# Altium PCB Shuttler_AMC.PcbDoc (part 5 of 12) (continued)
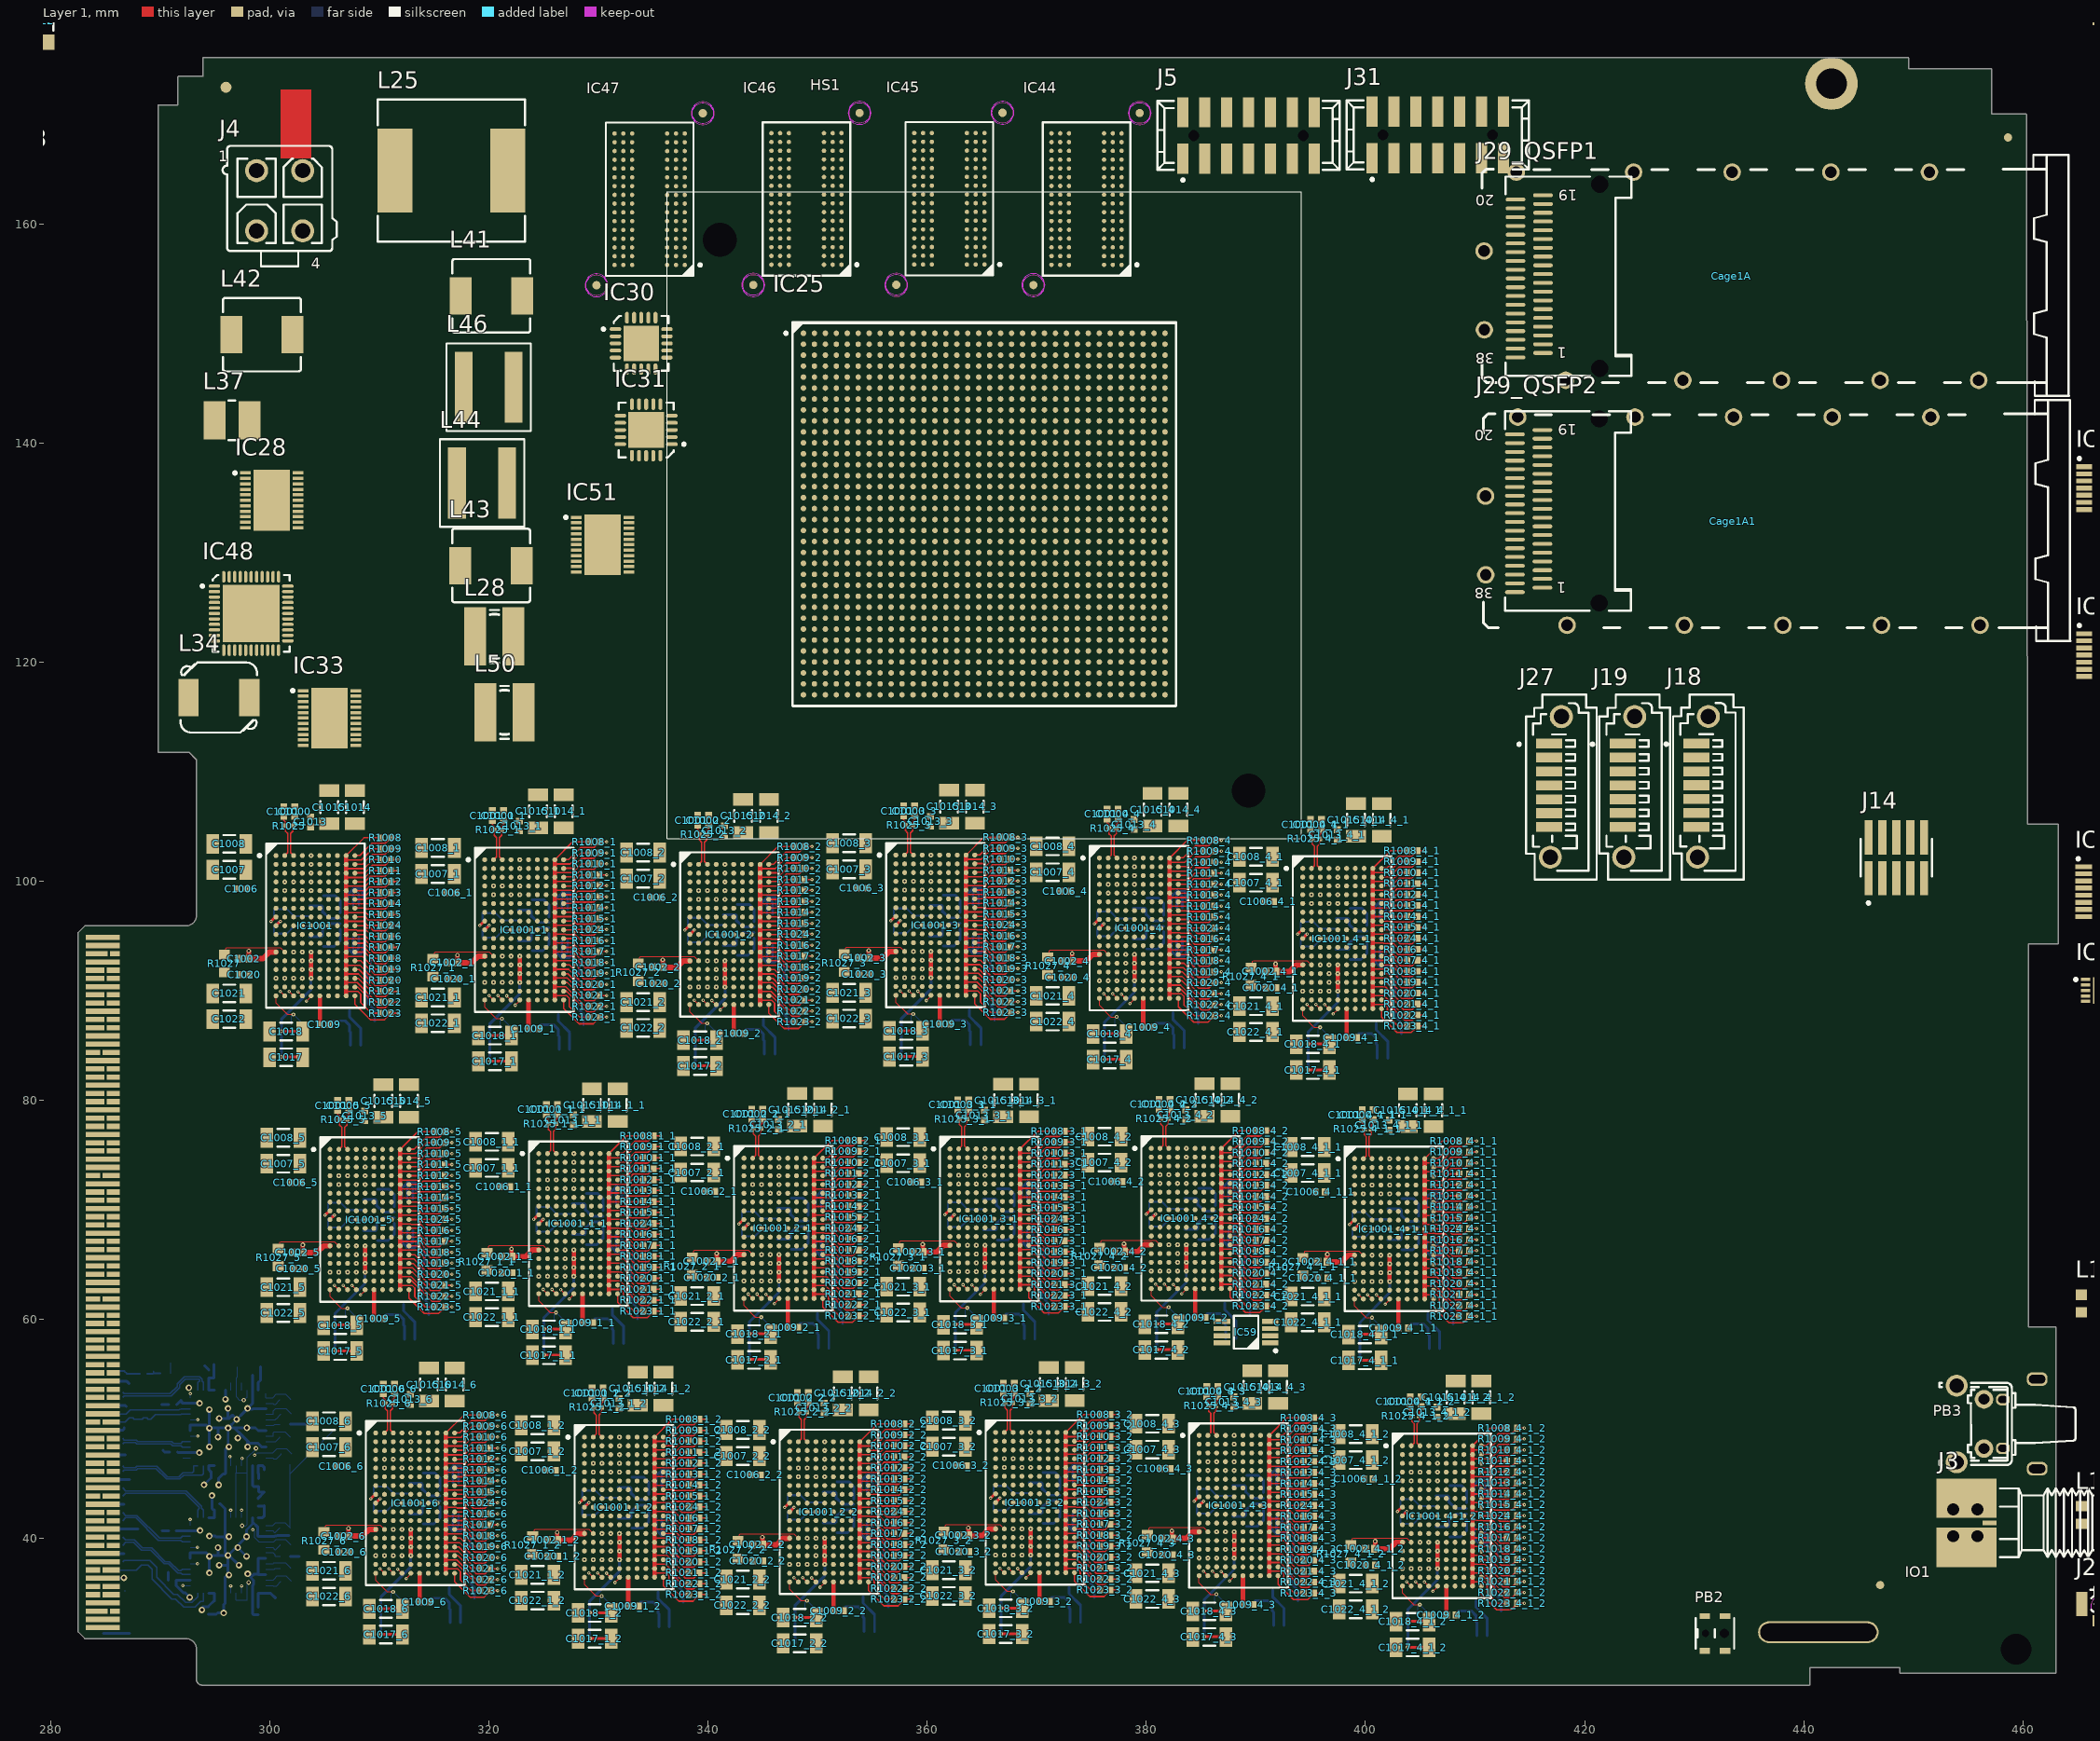
[diagram p0: Layer 1 view]
## Part data (continued)
IC2: "2.5 to 5.5 V, 1Kb (128x8) Serial Microwire Bus EEPROM", Case=SOIC8, Manufacturer="ST MICROELECTRONICS", Author="CERN DEM JLC", Bonding=No, ComponentHeight=1.75mm, Component Type=Standard, CreateDate=15.11.2012, Device=M93C46-WMN6TP, HelpURL=\\cern.ch\dfs\Applications\Altium\Datasheets\M93C46-WMN6TP.pdf, LatestRevisionDate=15.11.2012, Manufacturer Part Number=M93C46-WMN6TP, Mounted=Yes, PackageDescription="SOIC 8, Pitch 1.27mm - Body 4x5mm, IPC Medium Density", Part Description="1Kbit (128 x 8 bit or 64 x 16 bit) MICROWIRE® Serial Access EEPROM", Part Number=M93C46-WMN6TP, Pin Count=8, PressFit=No, Sense=No, SMD=Yes, Socket=No
IC4 IC5 IC7 IC13 IC21 IC57 IC72 IC73: "20V, 500mA, Ultralow Noise, Ultrahigh PSRR Linear Regulator", Case=SON10, Manufacturer="LINEAR TECHNOLOGY", Author="CERN DEM JLC", Bonding=No, ComponentHeight=0.8mm, Component Type=Standard, CreateDate=07.12.2016, Device=LT3045EDD#PBF, HelpURL=\\cern.ch\dfs\Applications\Altium\Datasheets\LT3045EDD#PBF.pdf, LatestRevisionDate=07.12.2016, Manufacturer Part Number=LT3045EDD#PBF, Mounted=Yes, PackageDescription="SON, 0.50mm Pitch, 10-pin, 3.00mm W  X 3.00mm L X 0.80mm Height, (w/thermal tab 1.75 X 2.48 mm), IPC Medium Density", Part Description="20V, 500mA, Ultralow Noise, Ultrahigh PSRR Linear Regulator", Part Number=LT3045EDD#PBF, Pin Count=11, PressFit=No, Sense=No, SMD=Yes, Socket=No
IC6 IC54: "Low Quiescent Current, Programmable-Delay Supervisory Circuit", Case=SOT23-6, Manufacturer="TEXAS INSTRUMENTS", Author="CERN DEM JLC", Bonding=No, ComponentHeight=1.45mm, Component Type=Standard, CreateDate=05.11.2013, Device=TPS3808G33DBVT, HelpURL=\\cern.ch\dfs\Applications\Altium\Datasheets\TPS3808G33DBVT.pdf, LatestRevisionDate=05.11.2013, Manufacturer Part Number=TPS3808G33DBVT, Mounted=Yes, PackageDescription="SOT23, 6-Leads, Body 1.6x3.0mm, Pitch 0.95mm, IPC Medium Density", Part Description="3.3V, Low Quiescent Current, Programmable-Delay Supervisory Circuit", Part Number=TPS3808G33DBVT, Pin Count=6, PressFit=No, Sense=No, SMD=Yes, Socket=No
IC8 IC34 IC35 IC36: "Digital Temperature Sensor and Thermal Watchdog with Two-Wire Interface", Case=SSOP8, Manufacturer="TEXAS INSTRUMENTS", Author="CERN DEM JLC", Bonding=No, ComponentHeight=1.09mm, Component Type=Standard, CreateDate=15.10.2012, Device=LM75AIMM/NOPB, HelpURL=\\cern.ch\dfs\Applications\Altium\Datasheets\LM75AIMM-NOPB.pdf, LatestRevisionDate=15.10.2012, Manufacturer Part Number=LM75AIMM/NOPB, Mounted=Yes, PackageDescription="SOP, 0.65mm pitch; 8 pin,3.00mm W X 3.00mm L X 1.09mm H bodyI, PC Medium Density", Part Description="-25° to +100°C ±2°C Digital Temperature Sensor and Thermal Watchdog with Two-Wire Interface", Part Number=LM75AIMM/NOPB, Pin Count=8, PressFit=No, Sense=No, SMD=Yes, Socket=No
IC9 IC52: "Low Voltage 8-Channel I2C Switch With Reset", Case=QFN24, Manufacturer="TEXAS INSTRUMENTS", Author="CERN DEM JLC", Bonding=No, ComponentHeight=1mm, Component Type=Standard, CreateDate=07.07.2014, Device=TCA9548ARGER, HelpURL=\\cern.ch\dfs\Applications\Altium\Datasheets\TCA9548ARGER.pdf, LatestRevisionDate=07.07.2014, Manufacturer Part Number=TCA9548ARGER, Mounted=Yes, PackageDescription="QFN, 0.50mm Pitch, Square; 24 Pin, 4.00mm L X 4.00mm W X 1.00mm H body (w/thermal tab 2.2 X 2.2mm), IPC Medium Density", Part Description="Low Voltage 8-Channel I2C Switch With Reset", Part Number=TCA9548ARGER, Pin Count=25, PressFit=No, Sense=No, SMD=Yes, Socket=No
IC10_1 IC11_1: "Part Number = SN65MLVD040RGZT"
IC12 IC17 IC56: "Two Selectable Inputs, 8 LVPECL Outputs, SiGe Clock Fanout Buffer", Case=QFN32, Manufacturer="ANALOG DEVICES", Author="CERN DEM MR", Bonding=No, ComponentHeight=0.8mm, Component Type=Standard, CreateDate=30.11.2016, Device=ADCLK948BCPZ, HelpURL=\\cern.ch\dfs\Applications\Altium\Datasheets\ADCLK948BCPZ.pdf, LatestRevisionDate=30.11.2016, Manufacturer Part Number=ADCLK948BCPZ, Mounted=Yes, PackageDescription="QFN, 0.50mm Pitch, Square; 8 Pin X 8 Pin, 5mm X 5mm X 1.00mm H body (w/thermal tab 2.85 X 2.85mm),  IPC Medium Density", Part Description="Two Selectable Inputs, 8 LVPECL Outputs, SiGe Clock Fanout Buffer", Part Number=ADCLK948BCPZ, Pin Count=33, PressFit=No, Sense=No, SMD=Yes, Socket=No
IC14 IC16: "4-BIT 1-OF-2 FET Multiplexer/Demultiplexer 2.5V/3.3V Low-Voltage Bus Switch 5V Tolerant Shifter", Case=TSSOP16, Manufacturer="TEXAS INSTRUMENTS", Author="CERN DEM JLC", Bonding=No, ComponentHeight=1.2mm, Component Type=Standard, CreateDate=30.01.2012, Device=SN74CB3T3257PW, HelpURL=\\cern.ch\dfs\Applications\Altium\Datasheets\SN74CB3T3257PW.pdf, LatestRevisionDate=30.01.2012, Manufacturer Part Number=SN74CB3T3257PW, Mounted=Yes, PackageDescription="SOP, 0.65mm pitch; 16 pin, 4.40mm W X 5.00mm L X 1.20mm H body IPC Medium Density", Part Description="4-Bit 1-of-2 FET Multiplexer/Demultiplexer 2.5V/3.3V Low-Voltage Bus Switch 5V Tolerant Shifter", Part Number=SN74CB3T3257PW, Pin Count=16, PressFit=No, Sense=No, SMD=Yes, Socket=No
IC15: "1.5A High Efficiency Step-Down Converter, Adjustable Output Voltage", Case=SOT23-5, Manufacturer="TEXAS INSTRUMENTS", Author="CERN DEM JMW", Bonding=No, ComponentHeight=1.45mm, Component Type=Standard, CreateDate=29.08.2016, Device=TLV62565DBVT, HelpURL=\\cern.ch\dfs\Applications\Altium\Datasheets\TLV62565DBVT.pdf, LatestRevisionDate=29.08.2016, Manufacturer Part Number=TLV62565DBVT, Mounted=Yes, PackageDescription="SOT, 0.95mm Pitch; 5 Pin, 1.60mm W X 2.90mm L X 1.45mm H Body, IPC Medium Density", Part Description="1.5A High Efficiency Step-Down Converter, Adjustable Output Voltage", Part Number=TLV62565DBVT, Pin Count=5, PressFit=No, Sense=No, SMD=Yes, Socket=No
IC18 IC43: "Sink/Source DDR Termination Regulator", Case=SON10, Manufacturer="TEXAS INSTRUMENTS", Author="CERN DEM JLC", Bonding=No, ComponentHeight=1mm, Component Type=Standard, CreateDate=03.02.2010, Device=TPS51200DRCT, HelpURL=\\cern.ch\dfs\Applications\Altium\Datasheets\TPS51200DRCT.pdf, LatestRevisionDate=06.11.2013, Manufacturer Part Number=TPS51200DRCT, Mounted=Yes, PackageDescription="SON, 0.50mm Pitch, 10-pin, 3.00mm W  X 3.00mm L X 1.00mm Height, (w/thermal tab 1.75 X 2.50 mm)", Part Description="3.3V Sink/Source DDR Termination Regulator", Part Number=TPS51200DRCT, Pin Count=11, PressFit=No, Sense=No, SMD=Yes, Socket=No
IC19: "Fractional-N PLL With Integrated VCO, 25 to 3000MHz", Case=QFN40, Manufacturer="HITTITE MICROWAVE CORP", Author="CERN DEM JMW", Bonding=No, ComponentHeight=0.9mm, Component Type=Standard, CreateDate=17.08.2016, Device=HMC830LP6GE, HelpURL=\\cern.ch\dfs\Applications\Altium\Datasheets\HMC830LP6GE.pdf, LatestRevisionDate=17.08.2016, Manufacturer Part Number=HMC830LP6GE, Mounted=Yes, PackageDescription="QFN, 0.50mm Pitch, Square; 40 Pin, 4.00mm L X 4.00mm W X 1.00mm H Body (w/thermal Tab 2.95 X 2.95mm), IPC Medium Density", Part Description="Fractional-N PLL With Integrated VCO, 25 to 3000MHz", Part Number=HMC830LP6GE, Pin Count=41, PressFit=No, Sense=No, SMD=Yes, Socket=No
IC20 IC22: "2 Input/10 Output, Low Jitter Universal Buffer/Level Translator With 2:1 Input Mux (<1.25 GHZ)", Case=QFN44, Manufacturer="SILICON LABS", Author="CERN DEM MR", Bonding=No, ComponentHeight=0.9mm, Component Type=Standard, CreateDate=02.10.2017, Device=SI53312-B-GM, HelpURL=\\cern.ch\dfs\Applications\Altium\Datasheets\SI53312-B-GM.pdf, LatestRevisionDate=02.10.2017, Manufacturer Part Number=SI53312-B-GM, Mounted=Yes, PackageDescription="QFN, 0.50mm Pitch, Square; 44 Pin, 7.00mm L X 7.00mm W X 0.90mm H Body (w/Thermal Tab 2.95mm X 2.95mm), IPC Medium Density", Part Description="2 Input/10 Output, Low Jitter Universal Buffer/Level Translator With 2:1 Input Mux (<1.25 GHZ)", Part Number=SI53312-B-GM, Pin Count=45, PressFit=No, Sense=No, SMD=Yes, Socket=No
IC23 IC53: "256Mb, 3V, Multiple I/O Serial Flash Memory", Case=SOIC16, Manufacturer="MICRON TECHNOLOGY", Author="CERN DEM BC", Bonding=No, ComponentHeight=2.65mm, Component Type=Standard, CreateDate=04.09.2015, Device=N25Q256A13ESF40, HelpURL=\\cern.ch\dfs\Applications\Altium\Datasheets\N25Q256A13ESF40.pdf, LatestRevisionDate=04.09.2015, Manufacturer Part Number=N25Q256A13ESF40, Mounted=Yes, PackageDescription="SOIC, 1.27mm Pitch; 16 Pin, Body 7.5x10.3mm, IPC Medium Density", Part Description="256Mb, 2.7 to 3.6V, Multiple I/O Serial Flash Memory", Part Number=N25Q256A13ESF40, Pin Count=16, PressFit=No, Sense=No, SMD=Yes, Socket=No
IC24: library part N25Q256A13ESF40, "256Mb, 3V, Multiple I/O Serial Flash Memory", Case=SOIC16, Manufacturer="MICRON TECHNOLOGY", Manufacturer Part Number=DNP, Author="CERN DEM BC", Bonding=No, ComponentHeight=2.65mm, Component Type=Standard, CreateDate=04.09.2015, Device=N25Q256A13ESF40/DNP, HelpURL=\\cern.ch\dfs\Applications\Altium\Datasheets\N25Q256A13ESF40.pdf, LatestRevisionDate=04.09.2015, Mounted=Yes, PackageDescription="SOIC, 1.27mm Pitch; 16 Pin, Body 7.5x10.3mm, IPC Medium Density", Part Description="256Mb, 2.7 to 3.6V, Multiple I/O Serial Flash Memory", Part Number=N25Q256A13ESF40, Pin Count=16, PressFit=No, Sense=No, SMD=Yes, Socket=No
IC25: "Kintex UltraScale FPGA, 520 I/O, 530K Cells, 1156-Ball BGA, Speed Grade 1, Commercial Grade", Case=BGA1156, Manufacturer=XILINX, Author="CERN DEM CA", Bonding=No, ComponentHeight=3.5mm, ComponentLink1Description=Package/Pinout, ComponentLink1URL=\\cern.ch\dfs\Applications\Altium\Datasheets\XCKU040-1FFVA1156C_Package-Pinout.pdf, Component Type=Standard, CreateDate=16.08.2016, Device=XCKU040-1FFVA1156C, HelpURL=\\cern.ch\dfs\Applications\Altium\Datasheets\XCKU040-1FFVA1156C.pdf, LatestRevisionDate=16.08.2016, Manufacturer Part Number=XCKU040-1FFVA1156C, Mounted=Yes, PackageDescription="BGA, 1.00mm Pitch, Square; 1156 Pin, 34 Columns X 34 Rows, Body 35.00mm X 35.00mm X 3.50mm H, IPC Medium Density", Part Description="Kintex UltraScale, 40 DLL I/O, 416 HP I/O, 104 HR I/O, 1156-Pin BGA, Speed Grade 1, Commercial Grade", Part Number=XCKU040-1FFVA1156C, Pin Count=1156, PressFit=No, Sense=No, SMD=Yes, Socket=No
IC26: "Any Frequency Precision Clock Multiplier/Jitter Attenuator", Case=QFN36, Manufacturer="SILICON LABS", Author="CERN DEM JLC", Bonding=No, ComponentHeight=0.9mm, Component Type=Standard, CreateDate=19.08.2013, Device=Si5324C-C-GM, HelpURL=\\cern.ch\dfs\Applications\Altium\Datasheets\Si5324C-C-GM.pdf, LatestRevisionDate=19.08.2013, Manufacturer Part Number=Si5324C-C-GM, Mounted=Yes, PackageDescription="QFN, 0.50mm Pitch, Square; 36 Pin, 6.00mm L X 6.00mm W X 0.90mm H Body (w/thermal tab 4.25mm x 4.25mm), IPC Medium Density", Part Description="Any Frequency Precision Clock Multiplier/Jitter Attenuator", Part Number=Si5324C-C-GM, Pin Count=37, PressFit=No, Sense=No, SMD=Yes, Socket=No
IC27 IC58 IC61 IC63: "Adjustable, 3A, Single Resistor Low Dropout Regulator", Case=SON12, Manufacturer="LINEAR TECHNOLOGY", Author="CERN DEM MR", Bonding=No, ComponentHeight=0.8mm, Component Type=Standard, CreateDate=29.11.2017, Device=LT3083EDF#PBF, HelpURL=\\cern.ch\dfs\Applications\Altium\Datasheets\LT3083EDF#PBF.pdf, LatestRevisionDate=29.11.2017, Manufacturer Part Number=LT3083EDF#PBF, Mounted=Yes, PackageDescription="SON, 0.50mm Pitch; 14 Pin 4.00mm W X 4.00mm L X 0.80mm H body (w/thermal tab 2.75 X 3.5 mm), IPC Medium Density", Part Description="Adjustable, 3A, Single Resistor Low Dropout Regulator", Part Number=LT3083EDF#PBF, Pin Count=13, PressFit=No, Sense=No, SMD=Yes, Socket=No
IC28 IC33 IC51: "1.5V to 15V Input (4.5V to 25V Bias), 20A Synchronous Buck SWIFT™ Converter with Eco-mode™", Case=SON22, Manufacturer="TEXAS INSTRUMENTS", Autho=TP, Bonding=No, ComponentHeight=1.5mm, Component Type=Standard, CreateDate=17.01.2019, Device=TPS53353DQPT, Manufacturer Part Number=TPS53353DQPT, Mounted=Yes, PackageDescription="SON, 0.50mm Pitch; 22 Pin, 5.00mm W X 6.00mm L X 1.50mm H Body (w/Thermal Tab 3.34 X 5.57mm), IPC Medium Density", Part Description="1.5V to 15V Input (4.5V to 25V Bias), 20A Synchronous Buck SWIFT™ Converter with Eco-mode™", Part Number=TPS53353DQPT, Pin Count=23, PressFit=No, Sense=No, SMD=Yes, Socket=No
IC29 IC41: "4.75-28VDC to 1-6VDC, 500mA Step-Down Converter With Sleep Mode", Case=SON10, Manufacturer="TEXAS INSTRUMENTS", Author="CERN DEM JMW", Bonding=No, ComponentHeight=0.8mm, Component Type=Standard, CreateDate=11.08.2015, Device=TPS62175DQC, HelpURL=\\cern.ch\dfs\Applications\Altium\Datasheets\TPS62175DQC.pdf, LatestRevisionDate=11.08.2015, Manufacturer Part Number=TPS62175DQC, Mounted=Yes, PackageDescription="SON, 10-Leads, Body 2x3mm, Pitch 0.5mm, Thermal Pad 0.94x2.5mm, IPC Medium Density", Part Description="4.75-28VDC to 1-6VDC, 500mA Step-Down Converter With Sleep Mode", Part Number=TPS62175DQC, Pin Count=11, PressFit=No, Sense=No, SMD=Yes, Socket=No
IC30 IC31: "Single Output LDO, 3.0A, Adj.(0.8 to 3.3V), Fast Transient Response, Programmable SoftStart", Case=QFN20, Manufacturer="TEXAS INSTRUMENTS", Author="CERN DEM JLC", Bonding=No, ComponentHeight=1mm, Component Type=Standard, CreateDate=02.02.2010, Device=TPS74401RGWT, HelpURL=\\cern.ch\dfs\Applications\Altium\Datasheets\TPS74401RGWT.pdf, LatestRevisionDate=02.02.2010, Manufacturer Part Number=TPS74401RGWT, Mounted=Yes, PackageDescription="QFN, 0.65mm pitch,square; 20 pin, 5mm X 5mm X 1mm H body (w/thermal tab 3.25 X 3.25mm),  IPC Medium Density", Part Description="Single Output LDO, 3.0A, Adj.(0.8 to 3.3V), Fast Transient Response, Programmable SoftStart", Part Number=TPS74401RGWT, Pin Count=21, PressFit=No, Sense=No, SMD=Yes, Socket=No
IC32 IC40: "Dual-Bit Dual-Supply Bus Transceiver With Configurable Voltage Translation and 3-State Outputs", Case=QFN10, Manufacturer="TEXAS INSTRUMENTS", Author="CERN DEM JLC", Bonding=No, ComponentHeight=0.55mm, Component Type=Standard, CreateDate=07.07.2014, Device=SN74AVC2T245RSWR, HelpURL=\\cern.ch\dfs\Applications\Altium\Datasheets\SN74AVC2T245RSWR.pdf, LatestRevisionDate=30.03.2017, Manufacturer Part Number=SN74AVC2T245RSWR, Mounted=Yes, PackageDescription="QFN, 0.40mm Pitch, Rect.;10 Pin, 1.80mm L X 1.40mm W X 0.55mm H Body, IPC Medium Density", Part Description="Dual-Bit Dual-Supply Bus Transceiver With Configurable Voltage Translation and 3-State Outputs", Part Number=SN74AVC2T245RSWR, Pin Count=10, PressFit=No, Sense=No, SMD=Yes, Socket=No, Status="Not Recommended"
IC37: "±1°C, SMBus-Compatible Remote/Local Temperature Sensor with Overtemperature Alarm", Case=SON6, Manufacturer=MAXIM, Author="CERN DEM JLC", Bonding=No, ComponentHeight=0.8mm, Component Type=Standard, CreateDate=26.11.2013, Device=MAX6642ATT90+T, HelpURL=\\cern.ch\dfs\Applications\Altium\Datasheets\MAX6642ATT90+T.pdf, LatestRevisionDate=26.11.2013, Manufacturer Part Number=MAX6642ATT90+T, Mounted=Yes, PackageDescription="SON, 0.95mm Pitch; 6 Pin, 3.00mm W X 3mm L X 0.80mm H body (w/Thermal Tab 1.6mm x 2.4mm)", Part Description="0°C to +125°C, ±1°C, SMBus-Compatible Remote/Local Temperature Sensor with Overtemperature Alarm (Address 1001 000)", Part Number=MAX6642ATT90+T, Pin Count=7, PressFit=No, Sense=No, SMD=Yes, Socket=No
IC38: "32-bit ARM Cortex-M3 MCU, 256kB Flash, 80kB SRAM, Ethernet, USB 2.0 Device/Host/OTG, CAN, 12-Bit ADC", Case=BGA180, Manufacturer="NXP SEMICONDUCTORS", Author="CERN DEM JMW", Bonding=No, ComponentHeight=1.2mm, Component Type=Standard, CreateDate=16.08.2016, Device=LPC1776FET180,551, HelpURL=\\cern.ch\dfs\Applications\Altium\Datasheets\LPC1776FET180,551.pdf, LatestRevisionDate=16.08.2016, Manufacturer Part Number=LPC1776FET180,551, Mounted=Yes, PackageDescription="BGA, 0.80mm Pitch, Square; 180 Pin, 14 Columns X 14 Rows, Body 12.00mm X 12.00mm X 1.20mm H, IPC Medium Density", Part Description="Cortex-M3, 32-bit ARM MCU, 256kB Flash, 80kB SRAM, Ethernet, USB 2.0 Device/Host/OTG, CAN, 12-Bit ADC", Part Number=LPC1776FET180,551, Pin Count=180, PressFit=No, Sense=No, SMD=Yes, Socket=No
IC39: "1.7V to 5.5V, I2C-Compatible (2-wire) 2-Kbit (256 x 8) Serial EEPROM", Case=TSSOP8, Manufacturer=ATMEL, Author="CERN DEM MR", Bonding=No, ComponentHeight=1.2mm, Component Type=Standard, CreateDate=09.03.2016, Device=AT24MAC402-XHM, HelpURL=\\cern.ch\dfs\Applications\Altium\Datasheets\AT24MAC402-XHM.pdf, LatestRevisionDate=09.11.2016, Manufacturer Part Number=AT24MAC402-XHM, Mounted=Yes, PackageDescription="SOP, 0.65mm pitch; 8 pin, 4.40mm W X 3.00mm L X 1.20mm H body, IPC Medium Density", Part Description="1.7V to 5.5V, I2C-Compatible (2-wire) 2-Kbit (256 x 8) Serial EEPROM with a EUI-48 Address", Part Number=AT24MAC402-XHM, Pin Count=8, PressFit=No, Sense=No, SMD=Yes, Socket=No
IC42 IC77: Case=TSSOP14, Manufacturer="NXP SEMICONDUCTORS", Author="CERN DEM JLC", Bonding=No, ComponentHeight=1.1mm, Component Type=Standard, CreateDate=19.11.2014, Device=74HC4066PW, HelpURL=\\cern.ch\dfs\Applications\Altium\Datasheets\74HC4066PW.pdf, LatestRevisionDate=19.11.2014, Manufacturer Part Number=74HC4066PW, Mounted=Yes, PackageDescription="SOP, 14-Leads, Body 4.4x5mm (max), Pitch 0.65mm, IPC Medium Density", Part Description="Quad Single-Pole Single-Throw Analog Switch", Part Number=74HC4066PW, Pin Count=14, PressFit=No, Sense=No, SMD=Yes, Socket=No
IC44 IC45 IC46 IC47: "Part Number = MT41J256M16HA-125:E"
IC48: "40V Quad Channel Digital PWM/PFM Universal PMIC", Case=QFN44, Manufacturer=EXAR, Author="CERN DEM JLC", Bonding=No, ComponentHeight=0.8mm, Component Type=Standard, CreateDate=04.07.2017, Device=XR77129ELB-F, HelpURL=\\cern.ch\dfs\Applications\Altium\Datasheets\XR77129ELB-F.pdf, LatestRevisionDate=04.07.2017, Manufacturer Part Number=XR77129ELB-F, Mounted=Yes, PackageDescription="50mm Pitch, Square; 44 Pin, 7.00mm L X 7.00mm W X 0.80mm H Body (W/Thermal Tab 5.2mm X 5.2mm), IPC Medium Density", Part Description="40V Quad Channel Digital PWM/PFM Universal PMIC", Part Number=XR77129ELB-F, Pin Count=45, PressFit=No, Sense=No, SMD=Yes, Socket=No
IC49 IC50: "4-bit Bidirectional Auto-direction Sensing Translator with Fully Symmetric 0.9V to 3.6V Range", Case=QFN12, Manufacturer="TEXAS INSTRUMENTS", Author="CERN DEM JLC", Bonding=No, ComponentHeight=0.55mm, Component Type=Standard, CreateDate=27.10.2014, Device=TXB0304RUTR, HelpURL=\\cern.ch\dfs\Applications\Altium\Datasheets\TXB0304RUTR.pdf, LatestRevisionDate=28.10.2014, Manufacturer Part Number=TXB0304RUTR, Mounted=Yes, PackageDescription="SON, TEXAS RUT (R-PUQFN-N12), 0.50mm Pitch, 12-pin, 1.70mm W  X 2.00mm L X 0.55mm Height", Part Description="4-bit Bidirectional Auto-direction Sensing Translator with Fully Symmetric 0.9V to 3.6V Range", Part Number=TXB0304RUTR, Pin Count=12, PressFit=No, Sense=No, SMD=Yes, Socket=No
IC55_QSFP1 IC55_QSFP2: "8-Bit I2C-Bus and SMBus I/O Port with Interrupt", Case=TSSOP16, Manufacturer="NXP SEMICONDUCTORS", Author="CERN DEM JLC", Bonding=No, ComponentHeight=1.1mm, Component Type=Standard, CreateDate=04.11.2014, Device=PCA9554PW, HelpURL=\\cern.ch\dfs\Applications\Altium\Datasheets\PCA9554PW.pdf, LatestRevisionDate=04.11.2014, Manufacturer Part Number=PCA9554PW, Mounted=Yes, PackageDescription="SOP, 0.65mm pitch; 16 pin, 4.40mm W X 5.00mm L X 1.10mm H body IPC Medium Density", Part Description="8-Bit I2C-Bus and SMBus I/O Port with Interrupt", Part Number=PCA9554PW, Pin Count=16, PressFit=No, Sense=No, SMD=Yes, Socket=No
IC59 IC64: "0.25ppm Noise, Low Drift Precision Buffered Voltage Reference", Case=SSOP8, Manufacturer="LINEAR TECHNOLOGY", Bonding=No, ComponentHeight=1.1mm, Component Type=Standard, LatestRevisionDate=22.11.2016, Mounted=Yes, PackageDescription="SOP, 8-Leads, Body 3.1x3.1mm (max), Pitch 0.65mm, IPC Medium Density", Pin Count=8, PressFit=No, Sense=No, SMD=Yes, Socket=No
  IC59: Author="CERN DEM JLC", CreateDate=22.11.2016, Device=LTC6655BHMS8-1.25#PBF, HelpURL=\\cern.ch\dfs\Applications\Altium\Datasheets\LTC6655BHMS8-1.25#PBF.pdf, Manufacturer Part Number=LTC6655BHMS8-1.25#PBF, Part Description="1.25V, 0.25ppm Noise, Low Drift Precision Buffered Voltage Reference", Part Number=LTC6655BHMS8-1.25#PBF
  IC64: Author="CERN DEM BC", CreateDate=03.03.2016, Device=LTC6655BHMS8-3.3#PBF, HelpURL=\\cern.ch\dfs\Applications\Altium\Datasheets\LTC6655BHMS8-3.3#PBF.pdf, Manufacturer Part Number=LTC6655BHMS8-3.3#PBF, Part Description="3V3, 0.25ppm Noise, Low Drift Precision Buffered Voltage Reference", Part Number=LTC6655BHMS8-3.3#PBF
IC60: "Adjustable 1.1A Single Resistor Low Dropout Regulator", Case=SON8, Manufacturer="LINEAR TECHNOLOGY", Author="CERN DEM JLC", Bonding=No, ComponentHeight=0.8mm, Component Type=Standard, CreateDate=18.01.2010, Device=LT3080EDD#PBF, HelpURL=\\cern.ch\dfs\Applications\Altium\Datasheets\LT3080EDD#PBF.pdf, LatestRevisionDate=18.01.2010, Manufacturer Part Number=LT3080EDD#PBF, Mounted=Yes, PackageDescription="SON, (DFN) 0.50mm,pitch; 8 pin,3.00mm W X 3.00mm L X 0.80mm H body (w/thermal tab 1.75 X2.48mm), IPC Medium Density", Part Description="0 To 36V Adjustable 1.1A Single Resistor Low Dropout Regulator", Part Number=LT3080EDD#PBF, Pin Count=9, PressFit=No, Sense=No, SMD=Yes, Socket=No
IC62_Amplifier14 IC1000 IC1000_1 IC1000_1_1 IC1000_1_2 IC1000_2 IC1000_2_1 IC1000_2_2 IC1000_3 IC1000_3_1 IC1000_3_2 IC1000_4 IC1000_4_1 IC1000_4_1_1 IC1000_4_1_2 IC1000_4_2 IC1000_4_3 IC1000_5 IC1000_6: "Ultralow Distortion Current Feedback Differential ADC Driver", Case=QFN16, Manufacturer="ANALOG DEVICES", Author="CERN DEM JLC", Bonding=No, ComponentHeight=1mm, Component Type=Standard, CreateDate=19.04.2010, Device=ADA4927-1YCPZ-R2, HelpURL=\\cern.ch\dfs\Applications\Altium\Datasheets\ADA4927-1YCPZ-R2.pdf, LatestRevisionDate=19.04.2010, Manufacturer Part Number=ADA4927-1YCPZ-R2, Mounted=Yes, PackageDescription="QFN,0.50mm pitch,square; 4 pin X 4 pin, 3mm X 3mm X 1.00mm H body (w/thermal tab 1.45 X 1.45mm),  IPC Medium Density", Part Description="Ultralow Distortion Current Feedback Differential ADC Driver", Part Number=ADA4927-1YCPZ-R2, Pin Count=17, PressFit=No, Sense=No, SMD=Yes, Socket=No
IC65 IC66 IC67 IC68 IC69: "I2C-bus to SPI bridge", Case=TSSOP16, Manufacturer="NXP SEMICONDUCTORS", Author="CERN DEM MR", Bonding=No, ComponentHeight=1.1mm, Component Type=Standard, CreateDate=14.12.2015, Device=SC18IS602B, HelpURL=\\cern.ch\dfs\Applications\Altium\Datasheets\SC18IS602B.pdf, LatestRevisionDate=14.12.2015, Manufacturer Part Number=SC18IS602B, Mounted=Yes, PackageDescription="SOP, 0.65mm pitch; 16 pin, 4.40mm W X 5.00mm L X 1.10mm H body IPC Medium Density", Part Description="I2C-Bus to SPI Bridge", Part Number=SC18IS602B, Pin Count=16, PressFit=No, Sense=No, SMD=Yes, Socket=No
IC70 IC71: "8-Bit I2C-Bus and SMBus Low Power I/O Port with Interrupt", Case=SSOP16, Manufacturer="ANALOG DEVICES", Author="CERN DEM JLC", Bonding=No, ComponentHeight=1.1mm, Component Type=Standard, CreateDate=18.12.2013, Device=PCA9534PW, HelpURL=\\cern.ch\dfs\Applications\Altium\Datasheets\PCA9534PW.pdf, LatestRevisionDate=18.12.2013, Manufacturer Part Number=PCA9534PW, Mounted=Yes, PackageDescription="SOP, 0.65mm pitch; 16 pin, 4.40mm W X 5.00mm L X 1.10mm H body IPC Medium Density", Part Description="8-Bit I2C-Bus and SMBus Low Power I/O Port with Interrupt", Part Number=PCA9534PW, Pin Count=16, PressFit=No, Sense=No, SMD=Yes, Socket=No
IC74 IC75: "8-Bit Bidirectional Voltage-Level Translator with Automatic Direction Sensing and ±15kV ESD Protection", Case=TSSOP20, Manufacturer="TEXAS INSTRUMENTS", Author="CERN DEM MR", Bonding=No, ComponentHeight=1.2mm, Component Type=Standard, CreateDate=01.04.2016, Device=TXB0108PW, HelpURL=\\cern.ch\dfs\Applications\Altium\Datasheets\TXB0108PW.pdf, LatestRevisionDate=01.04.2016, Manufacturer Part Number=TXB0108PW, Mounted=Yes, PackageDescription="SOP, 20-Leads, Body 6.5x4.4mm, Pitch 0.65mm, IPC Medium Density", Part Description="8-Bit Bidirectional Voltage-Level Translator with Automatic Direction Sensing and ±15kV ESD Protection", Part Number=TXB0108PW, Pin Count=20, PressFit=No, Sense=No, SMD=Yes, Socket=No
IC76: "Alaska Integrated 10/100/1000 Mbps Energy Efficient Ethernet Transceiver", Case=QFN56, Manufacturer="MARVELL  TECHNOLOGY", Author="CERN DEM JLC", Bonding=No, ComponentHeight=1mm, Component Type=Standard, CreateDate=21.01.2015, Device=88E1512-XX-NNP2I000, HelpURL=\\cern.ch\dfs\Applications\Altium\Datasheets\88E1512-XX-NNP2I000.pdf, LatestRevisionDate=21.01.2015, Manufacturer Part Number=88E1512-XX-NNP2I000, Mounted=Yes, PackageDescription="QFN, 0.50mm Pitch, Square; 56 Pin, 8.00mm L X 8.00mm W X 1.00mm H Body (4.37mm X 4.37mm Thermal Tab), IPC Medium Density", Part Description="Alaska Integrated 10/100/1000 Mbps Energy Efficient Ethernet Transceiver", Part Number=88E1512-XX-NNP2I000, Pin Count=57, PressFit=No, Sense=No, SMD=Yes, Socket=No
IC79: "1.5A, Low Noise, Negative Linear Regulator with Precision Current Limit", Case=SON8, Manufacturer="LINEAR TECHNOLOGY", Author="CERN DEM MR", Bonding=No, ComponentHeight=0.8mm, Component Type=Standard, CreateDate=10.02.2016, Device=LT3015EDD#PBF, HelpURL=\\cern.ch\dfs\Applications\Altium\Datasheets\LT3015EDD#PBF.pdf, LatestRevisionDate=10.02.2016, Manufacturer Part Number=LT3015EDD#PBF, Mounted=Yes, PackageDescription="SON, (DFN) 0.50mm,pitch; 8 pin,3.00mm W X 3.00mm L X 0.80mm H body (w/thermal tab 1.75 X2.48mm), IPC Medium Density", Part Description="–1.22V to –29.3V, 1.5A, Low Noise, Negative Linear Regulator with Precision Current Limit", Part Number=LT3015EDD#PBF, Pin Count=9, PressFit=No, Sense=No, SMD=Yes, Socket=No
IC1001 IC1001_1 IC1001_1_1 IC1001_1_2 IC1001_2 IC1001_2_1 IC1001_2_2 IC1001_3 IC1001_3_1 IC1001_3_2 IC1001_4 IC1001_4_1 IC1001_4_1_1 IC1001_4_1_2 IC1001_4_2 IC1001_4_3 IC1001_5 IC1001_6: "16-Bit 2.5Gsps DAC", Case=BGA170, Manufacturer="LINEAR TECHNOLOGY", Autho="CERN / TP", Bonding=No, ComponentHeight=1.69mm, Component Type=Standard, CreateDate=29.09.2017, Device=LTC2000CY-16#PBF, HelpURL=\\cern.ch\dfs\Applications\Altium\Datasheets\LTC2000CY-16#PBF.pdf, LatestRevisionDate=30.01.2019, Manufacturer Part Number=LTC2000CY-16#PBF, Mounted=Yes, PackageDescription="BGA, 0.80mm Pitch, Rect.; 170 Pin, 10 Columns X 17 Rows, 9.00mm X 15.00mm X 1.69mm H, LTC DWG # 05-08-1890", Part Description="16-Bit 2.5Gsps DAC", Part Number=LTC2000CY-16#PBF, Pin Count=170, PressFit=No, Sense=No, SMD=Yes, Socket=No
J1: library part HIROSE_ZX62RD-AB-5P8, "5 Pin + 1 Shield USB Receptacle", Manufacturer="HIROSE (HRS)", Manufacturer Part Number=ZX62RD-AB-5P8, Author="CERN DEM JLC", ComponentHeight=2.35mm, ComponentLink1Description=Package-Drawing, ComponentLink1URL=\\cern.ch\dfs\Applications\Altium\Datasheets\HIROSE_ZX62RD-AB-5P8_Package-Drawing.pdf, Component Type=Standard, CreateDate=29.10.2014, Family="Micro-USB AB 2.0", HelpURL=\\cern.ch\dfs\Applications\Altium\Datasheets\HIROSE_ZX62RD-AB-5P8.pdf, LatestRevisionDate=22.06.2017, Mounted=Yes, Part Description="Micro-USB 2.0 Right Angle, SMD Type AB - Reverse (Top mount), Shell Through Hole", Part Number=HIROSE_ZX62RD-AB-5P8, Pin Count=7, PressFit=No, Sense=No, SMD=Yes, Socket=No, Status=Obsolete
J2: library part CMP-0001-00058-2, "Golden finger, AMC, Dual, Opposite, Pitch 0.75mm, 170-Position", Package Reference=AMC-GF-2D-750-O274, Package Version="rev2.0, Nov-2006", ClassName="Edge Connector", Datasheet Version="rev2.0, Nov-2006", Mating Connector=Molex-0758000001, Publisher=Altium
J3: library part CINCH_142-0761-801, Manufacturer="CINCH CONNECTIVITY", Manufacturer Part Number=142-0761-801, Author="CERN DEM JLC", ComponentHeight=5.53mm, Component Type=Standard, CreateDate=21.04.2015, Family=SMA, HelpURL=\\cern.ch\dfs\Applications\Altium\Datasheets\CINCH_142-0761-801.pdf, LatestRevisionDate=21.04.2015, Mounted=Yes, Part Description="SMA 50 Ohm High Frequency End Launch SMA Jack Receptacle (10mil Pin)", Part Number=CINCH_142-0761-801, Pin Count=2, PressFit=No, Sense=No, SMD=No, Socket=No, Status=None
J4: library part MOLEX_39-28-1043, "Connector 4 Male", Manufacturer=MOLEX, Manufacturer Part Number=39-28-1043, Author="CERN DEM JLC", ComponentHeight=13.1mm, Component Type=Standard, CreateDate=12.03.2009, Family="Mini-Fit Jr.™", HelpURL=\\cern.ch\dfs\Applications\Altium\Datasheets\MOLEX_39-28-1043.pdf, LatestRevisionDate=06.03.2012, Mounted=Yes, Part Description="4.20mm (.165\") Pitch Mini-Fit Jr.™ Header, Dual Row, Vertical, without Snap-in Plastic Peg PCB Lock, 4 Circuits", Part Number=MOLEX_39-28-1043, Pin Count=4, PressFit=No, Sense=No, SMD=No, Socket=No, Status=None
J5 J31: library part MOLEX_87832-1420, "Connector 14 Male", Manufacturer=MOLEX, Manufacturer Part Number=87832-1420, Author="CERN DEM JLC", ComponentHeight=7.6mm, Component Type=Standard, CreateDate=09.09.2008, Family=Milli-Grid™, HelpURL=\\cern.ch\dfs\Applications\Altium\Datasheets\MOLEX_87832-1420.pdf, LatestRevisionDate=09.09.2008, Mounted=Yes, Part Description="2.00mm (.079\") Pitch Milli-Grid™ Header, Surface Mount, Vertical, Shrouded, 14 Circuits,with Locking Windows and Centre Polarization Slot, PCB Locator", Part Number=MOLEX_87832-1420, Pin Count=14, PressFit=No, Sense=No, SMD=Yes, Socket=No, Status=None
J6 J7 J8 J9 J10 J11 J12 J15 J16 J17 J20 J21 J22 J23 J24: library part HIROSE_U.FL-R-SMT-1(10), Manufacturer="HIROSE (HRS)", Manufacturer Part Number=U.FL-R-SMT-1(10), Author="CERN DEM JLC", ComponentHeight=1.25mm, Component Type=Standard, CreateDate=24.03.2010, Family=U.FL, HelpURL=\\cern.ch\dfs\Applications\Altium\Datasheets\HIROSE_U.FL-R-SMT-1(10).pdf, LatestRevisionDate=24.03.2010, Part Description="Up to 6GHz Ultra Small Surface Mount Male Coaxial Connectors U.FL Series", Part Number=HIROSE_U.FL-R-SMT-1(10), Pin Count=2, PressFit=No, Sense=No, SMD=Yes, Socket=No, Status=None
  J6 J7 J10 J11 J12 J15 J24: Mounted=No
  J8 J9 J16 J17 J20 J21 J22 J23: Mounted=Yes
J14: library part SAMTEC_FTS-105-02-F-DV, "Connector 10 Male", Manufacturer=SAMTEC, Manufacturer Part Number=FTS-105-02-F-DV, Author="CERN DEM JLC", ComponentHeight=3.18mm, Component Type=Standard, CreateDate=16.02.2011, Family="Header 10", HelpURL=\\cern.ch\dfs\Applications\Altium\Datasheets\SAMTEC_FTS-105-02-F-DV.pdf, LatestRevisionDate=28.01.2014, Mounted=Yes, Part Description="10 Contacts, Pitch 1.27mm, Dual Row Surface Mount Straight Strip Header", Part Number=SAMTEC_FTS-105-02-F-DV, Pin Count=10, PressFit=No, Sense=No, SMD=Yes, Socket=No, Status=None
J18 J19 J27: library part MOLEX_67800-5005, "7 Pin SATA Receptacle", Manufacturer=MOLEX, Manufacturer Part Number=67800-5005, Author="CERN DEM MR", ComponentHeight=8.4mm, Component Type=Standard, CreateDate=01.12.2016, Family=SATA, HelpURL=\\cern.ch\dfs\Applications\Altium\Datasheets\MOLEX_67800-5005.pdf, LatestRevisionDate=01.12.2016, Mounted=Yes, Part Description="1.27mm Pitch, 7 Contacts, Serial ATA High Speed Header, Straight with Locking Latch", Part Number=MOLEX_67800-5005, Pin Count=7, PressFit=No, Sense=No, SMD=Yes, Socket=No, Status=None
J29_QSFP1 J29_QSFP2: library part TYCO_2110819-1, "38Position QSFP Connector  (Quad Small Form-factor Pluggable)", Manufacturer="TYCO ELECTRONICS", Manufacturer Part Number=2110819-1, Author="CERN DEM JLC", ComponentHeight=5.48mm, Component Type=Standard, CreateDate=10.01.2018, Family=QSFP+, HelpURL=\\cern.ch\dfs\Applications\Altium\Datasheets\TYCO_2110819-1.pdf, LatestRevisionDate=10.01.2018, Mounted=Yes, Part Description="Surface Mount Enhanced EVERCLEAR Right Angle QSFP+ Host Connector", Part Number=TYCO_2110819-1, Pin Count=38, PressFit=No, Sense=No, SMD=No, Socket=No, Status=None
L1 L2 L3: library part IND0603_MURATA_BLM18SG121TN1D, "Inductor", Case=0603, Manufacturer=MURATA, Manufacturer Part Number=BLM18SG121TN1D, Power=3A, Resistance=0.025R, Tolerance=±25%, Author="CERN DEM JLC", ComponentHeight=0.65mm, Component Type=Standard, CreateDate=23.07.2014, HelpURL=\\cern.ch\dfs\Applications\Altium\Datasheets\IND0603_MURATA_BLM18S.pdf, LatestRevisionDate=23.07.2014, Mounted=Yes, Part Description="SMD EMIFIL Suppression Chip Ferrite Bead", Part Number=IND0603_MURATA_BLM18SG121TN1D, Pin Count=2, Sense=No, SMD=Yes, Socket=No, Status=None